# Altium PCB RTM_4SFP_3QSFP.PcbDoc (part 3 of 4)
Units mm, origin at the board's own origin, x right, y up, seen from the top; angles counter-clockwise.
Board outline 182.55 x 148.55 mm, 4 copper layers (L1, P2, P3, L4), stack 1.58 mm thick; 277 components, 253 nets, 1307 pads, 553 vias.
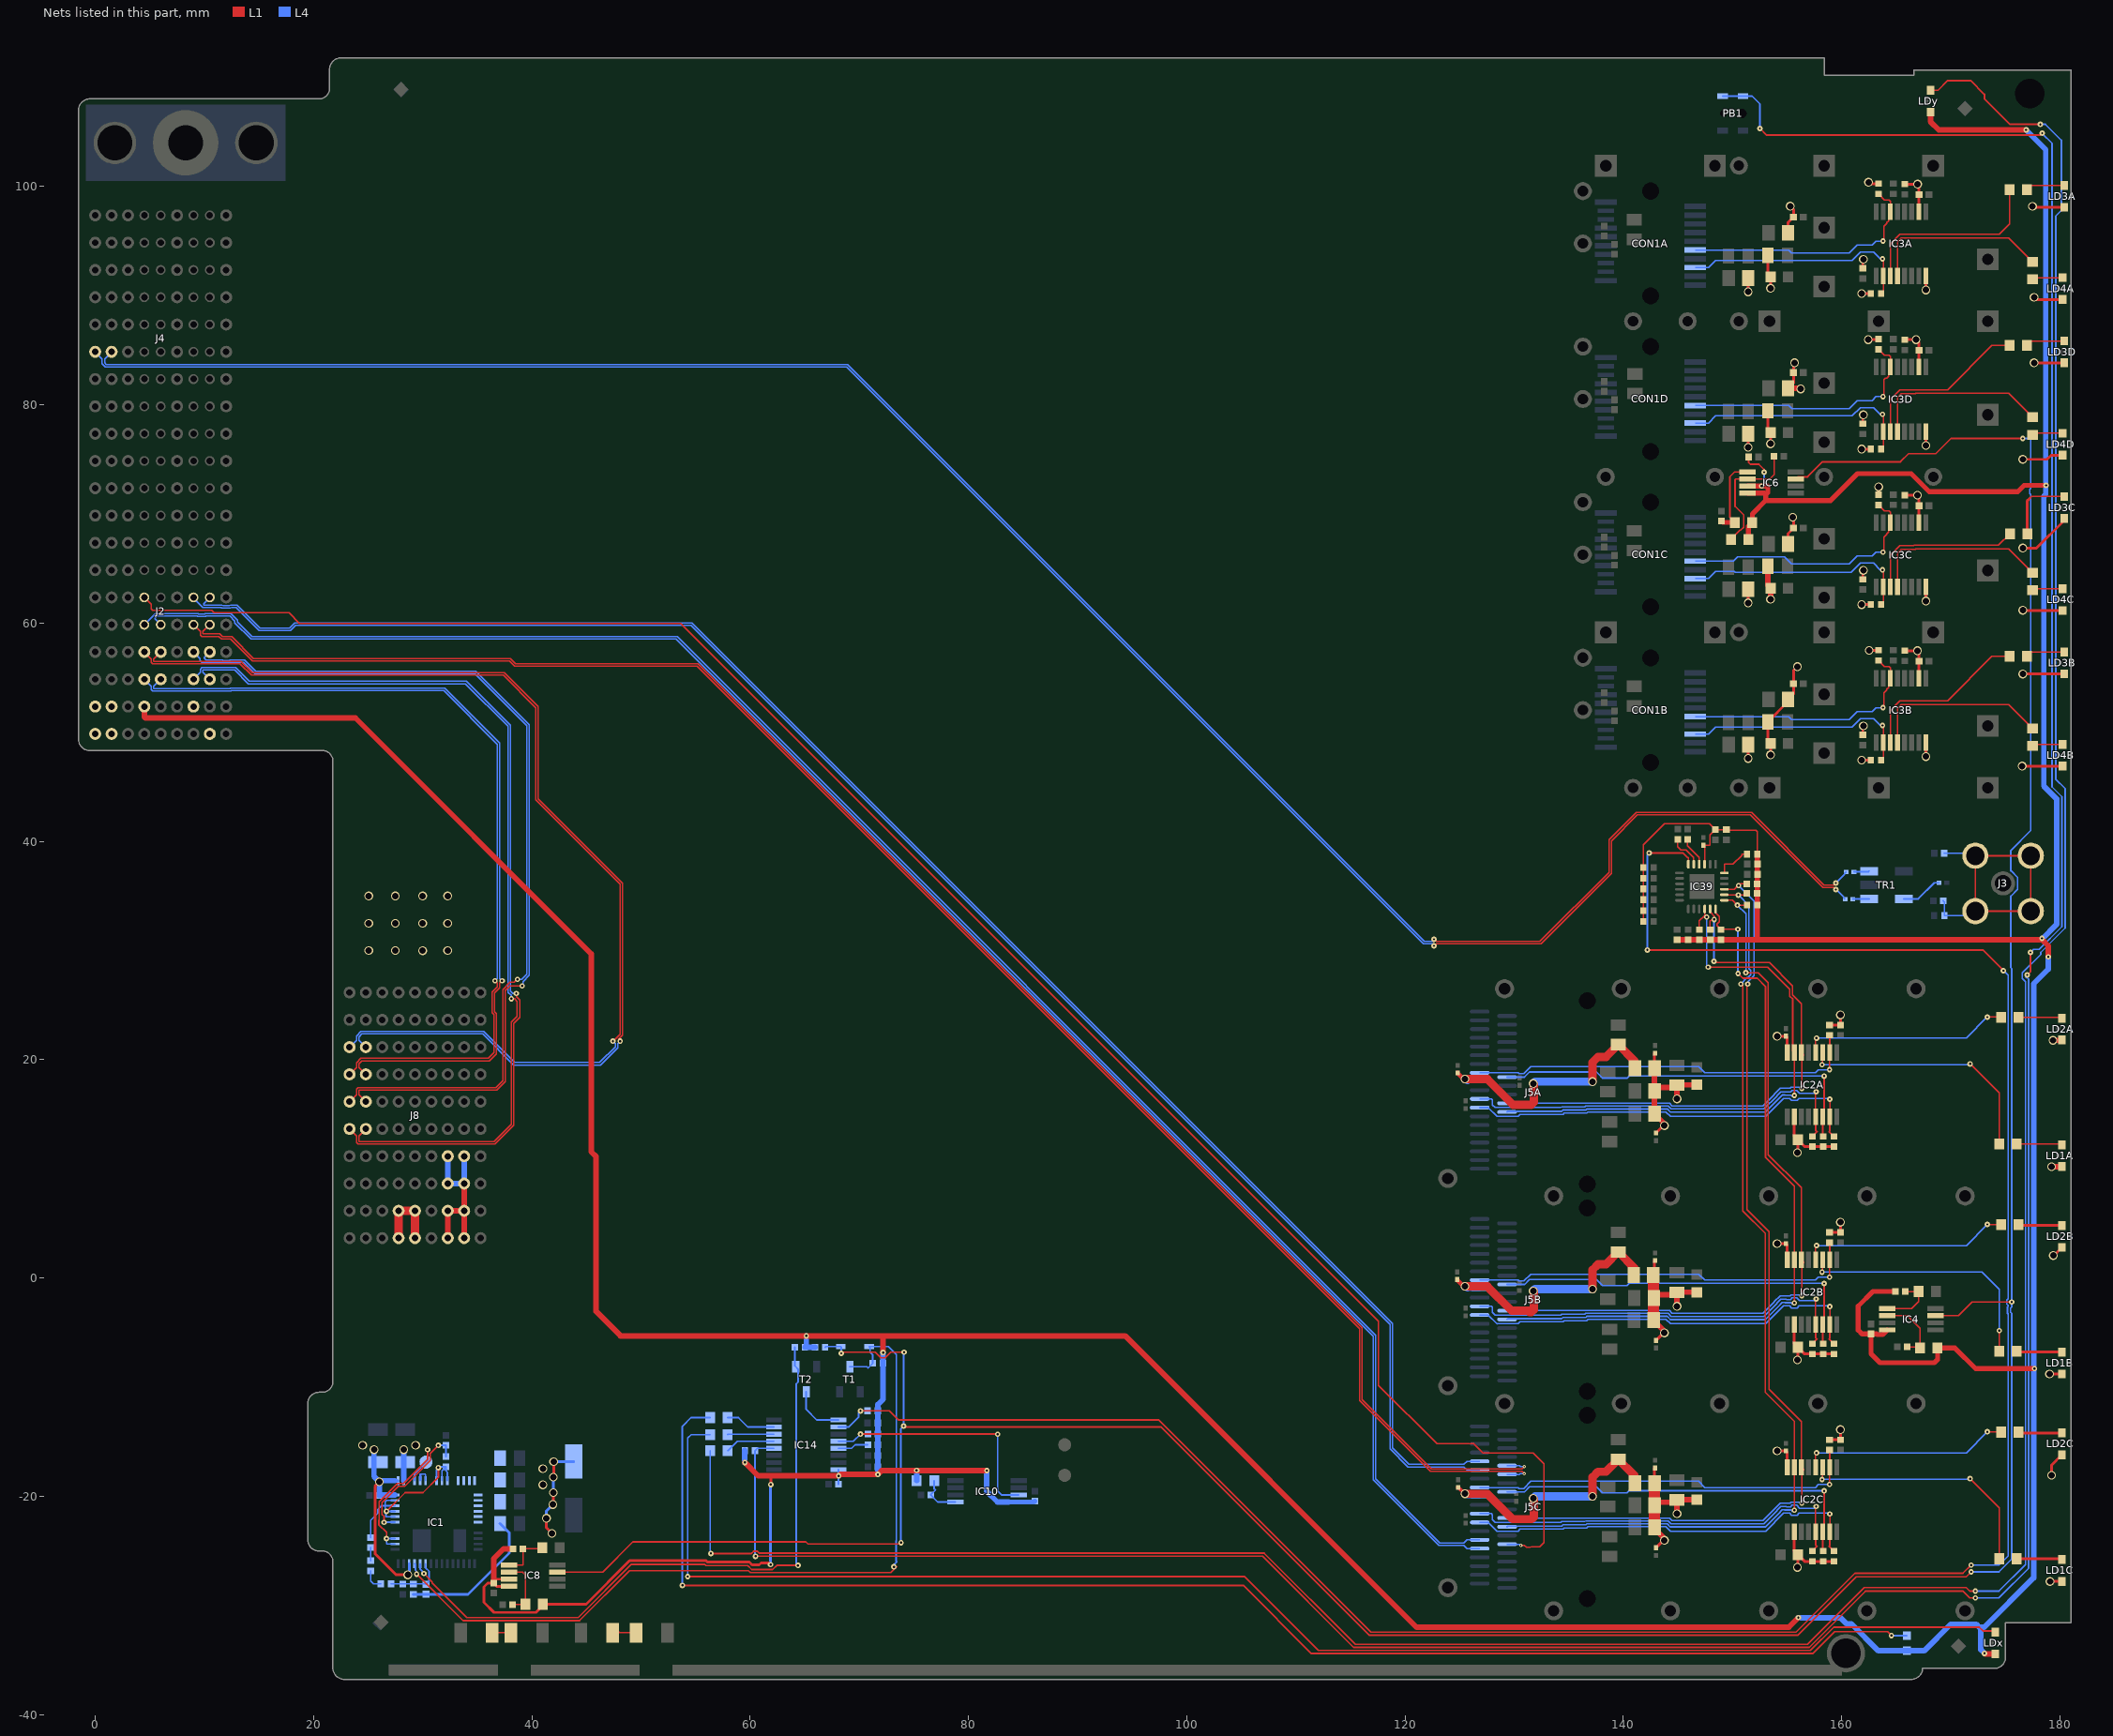
[diagram p5: the nets of this part, all layers, seen from the top]

## Via types
v1: diameter 0.5, hole 0.2, L1 to L4, tented both sides, 260 vias
v2: diameter 0.6, hole 0.4, L1 to L4, tented both sides, 124 vias
v3: diameter 0.8, hole 0.6, L1 to L4, tented both sides, 120 vias
v4: diameter 0.3, hole 0.1, L1 to L4, tented both sides, 38 vias
v5: diameter 0.6, hole 0.4, L1 to L4, 5 vias
v6: diameter 0.66, hole 0.33, L1 to L4, tented both sides, 4 vias
v7: diameter 0.8, hole 0.4, L1 to L4, 2 vias

## Nets (pads, with @x,y where several pads share a name; then routed paths per layer and width w, separated by ;. In a path a pad name is that pad's centre, name@x,y a point inside that pad or via, vN(x,y) a via of type N, cw(c..) or ccw(c..) an arc to the next point about the centre after c; other vN are vias at no path point) (continued)
GTP14RX_P: J2.C6 J5C.14 | length 175.7
  L1 w0.117: J2.C6@4.5,62.35 5.138,61.712 5.138,61.299 5.269,61.168 10.684,61.168 10.907,60.945 17.744,60.945 18.713,59.976 53.626,59.976 117.582,-3.979 117.582,-9.841 122.925,-15.184 126.284,-15.184 127.14,-16.04 131.757,-16.04 132.735,-17.018 132.735,-24.226 132.338,-24.623 131.561,-24.623 131.496,-24.688 131.126,-24.688 130.944,-24.506 v4(130.609,-24.506)
  L4 w0.117: J5C.14@129.355,-24.4 130.503,-24.4 v4(130.609,-24.506)
GTP14TX_N: J2.F6 J5C.34 | length 157.7
  L4 w0.117: J2.F6@10.5,62.35 9.922,61.772 9.922,61.675 9.948,61.65 11.624,61.65 11.685,61.589 12.315,61.589 12.376,61.65 12.999,61.65 15.111,59.538 17.805,59.538 18.288,60.02 54.661,60.02 118.867,-4.186 118.867,-15.573 120.382,-17.088 125.409,-17.088 125.697,-16.8 J5C.34@126.845,-16.8
GTP14TX_P: J2.E6 J5C.33 | length 158.1
  L4 w0.117: J2.E6@9,62.35 9,62.282 9.855,61.426 11.532,61.426 11.592,61.366 12.408,61.366 12.468,61.426 12.907,61.426 15.019,59.314 17.898,59.314 18.381,59.797 54.568,59.797 118.643,-4.279 118.643,-15.666 120.29,-17.312 125.409,-17.312 125.697,-17.6 J5C.33@126.845,-17.6
GTP15RX_N: J2.D5 J5C.24 | length 165.5
  L4 w0.117: J2.D5@6,59.85 5.47,60.38 5.47,60.477 5.642,60.648 9.331,60.648 9.379,60.6 10.121,60.6 10.169,60.648 12.331,60.648 12.798,60.181 12.798,60.008 14.28,58.526 53.223,58.526 117.099,-5.349 117.099,-18.488 123.122,-24.512 125.409,-24.512 125.697,-24.8 J5C.24@126.845,-24.8
GTP15RX_P: J2.C5 J5C.25 | length 166
  L4 w0.117: J2.C5@4.5,59.85 5.522,60.872 9.423,60.872 9.471,60.824 10.029,60.824 10.077,60.872 12.423,60.872 13.022,60.273 13.022,60.101 14.373,58.75 53.316,58.75 117.323,-5.257 117.323,-18.396 123.215,-24.288 125.409,-24.288 125.697,-24 J5C.25@126.845,-24
GTP15TX_N: J2.F5 J5C.5 | length 159.4
  L1 w0.117: J2.F5@10.5,59.85 9.862,59.212 9.862,59 11.419,59 11.669,58.75 12.5,58.75 14.491,56.758 38.062,56.758 38.534,56.286 55.22,56.286 116.061,-4.555 116.061,-11.134 122.428,-17.501 130.723,-17.501 v4(130.937,-17.286)
  L4 w0.117: J5C.5@129.355,-17.2 130.503,-17.2 130.59,-17.286 v4(130.937,-17.286)
GTP15TX_P: J2.E5 J5C.6 | length 159.8
  L1 w0.117: J2.E5@9,59.85 9.638,59.212 9.638,58.907 9.769,58.776 11.327,58.776 11.577,58.526 12.407,58.526 14.333,56.6 14.398,56.535 37.97,56.535 38.442,56.063 55.127,56.063 115.838,-4.648 115.838,-11.226 122.335,-17.724 130.723,-17.724 v4(130.937,-17.939)
  L4 w0.117: J5C.6@129.355,-18 130.503,-18 130.565,-17.939 v4(130.937,-17.939)
GTP_CLK2_IN_N: C28.2 J4.B5 | length 193
  L1 w0.117: v1(122.657,31.025) 122.728,31.025 122.917,30.836 132.365,30.836 138.687,37.157 138.687,40.141 141.192,42.645 151.751,42.645 158.397,36 159.3,36 159.487,36.187 v1(159.487,36.189)
  L4 w0.117: J4.B5@1.5,84.85 0.862,84.212 0.862,83.845 1.014,83.693 68.922,83.693 121.779,30.836 122.588,30.836 122.588,30.956 v1(122.657,31.025) ; v1(159.487,36.189) 160.268,36.97 160.268,37.063 160.409,37.205 C28.2@160.434,37.205
GTP_CLK2_IN_P: C16.2 J4.A5 | length 193.2
  L1 w0.117: v1(122.657,30.423) 122.728,30.423 122.917,30.612 132.458,30.612 138.91,37.065 138.91,40.048 141.284,42.422 151.659,42.422 158.304,35.776 159.3,35.776 159.487,35.59 v1(159.487,35.587)
  L4 w0.117: J4.A5@0,84.85 0.638,84.212 0.638,83.753 0.922,83.469 68.829,83.469 121.686,30.612 122.588,30.612 122.588,30.491 v1(122.657,30.423) ; v1(159.487,35.587) 160.168,34.906 160.168,34.842 160.31,34.7 C16.2@160.335,34.7
I2C_RESETn: IC14.10 IC39.24 R36.2 | length 220.6
  L1 w0.152: v1(70.113,-12.183) 72.76,-12.183 73.582,-13.005 97.434,-13.005 116.89,-32.461 155.829,-32.461 161.239,-27.051 171.126,-27.051 171.868,-26.309 v1(171.882,-26.309) ; v1(142.215,30.048) 172.933,30.048 v1(174.828,28.153) ; v1(142.367,38.938) 145.466,38.938 145.889,38.515 145.96,38.515 IC39.24@145.96,37.905
  L4 w0.152: IC14.10@68.086,-13.664 69.011,-13.664 69.952,-12.723 69.952,-12.344 v1(70.113,-12.183) R36.2@70.768,-12.183 ; v1(142.215,30.048) 142.215,38.786 v1(142.367,38.938) ; v1(171.882,-26.309) 174.422,-26.309 175.26,-25.471 175.26,-3.297 175.213,-3.25 175.213,-2.643 175.26,-2.596 175.26,-2.519 175.137,-2.396 175.137,-2.021 175.26,-1.898 175.26,27.737 174.844,28.153 v1(174.828,28.153)
INTLA: IC2A.5 J5A.28 R10A.2 | length 36.9
  L1 w0.127: IC2A.5@157.625,14.376 IC2A.5@157.625,14.75 157.625,17.011 v1(157.683,17.069)
  L1 w0.152: R10A.2@157.325,12.97 157.757,13.401 157.625,13.533 IC2A.5@157.625,14.376
  L4 w0.127: J5A.28@126.845,16.4 126.852,16.407 127.914,16.407 ; 127.947,16.407 127.914,16.407 ; v1(157.683,17.069) 157.522,16.908 156.169,16.908 155.898,17.179 155.484,17.179 155.332,17.027 154.944,17.027 154.928,17.043 154.444,17.043 154.102,16.701 154.102,16.676 152.905,15.479 144.398,15.479 144.131,15.746 136.563,15.746 136.492,15.675 134.352,15.675 134.286,15.609 128.256,15.609 128.016,15.85 128.016,16.305 127.914,16.407
INTLB: IC2B.5 J5B.28 R10B.2 | length 36.9
  L1 w0.127: IC2B.5@157.625,-4.624 IC2B.5@157.625,-4.25 157.625,-1.989 v1(157.683,-1.931)
  L1 w0.152: R10B.2@157.325,-6.03 157.757,-5.599 157.625,-5.467 IC2B.5@157.625,-4.624
  L4 w0.127: J5B.28@126.845,-2.6 126.852,-2.593 127.914,-2.593 ; 127.947,-2.593 127.914,-2.593 ; v1(157.683,-1.931) 157.522,-2.092 156.169,-2.092 155.898,-1.821 155.484,-1.821 155.332,-1.973 154.944,-1.973 154.928,-1.957 154.444,-1.957 154.102,-2.299 154.102,-2.324 152.905,-3.521 144.398,-3.521 144.131,-3.254 136.563,-3.254 136.492,-3.325 134.352,-3.325 134.286,-3.391 128.256,-3.391 128.016,-3.15 128.016,-2.695 127.914,-2.593
INTLC: IC2C.5 J5C.28 R10C.2 | length 36.9
  L1 w0.127: IC2C.5@157.625,-23.624 IC2C.5@157.625,-23.25 157.625,-20.989 v1(157.683,-20.931)
  L1 w0.152: R10C.2@157.325,-25.03 157.757,-24.599 157.625,-24.467 IC2C.5@157.625,-23.624
  L4 w0.127: J5C.28@126.845,-21.6 126.852,-21.593 127.914,-21.593 ; 127.947,-21.593 127.914,-21.593 ; v1(157.683,-20.931) 157.522,-21.092 156.169,-21.092 155.898,-20.821 155.484,-20.821 155.332,-20.973 154.944,-20.973 154.928,-20.957 154.444,-20.957 154.102,-21.299 154.102,-21.324 152.905,-22.521 144.398,-22.521 144.131,-22.254 136.563,-22.254 136.492,-22.325 134.352,-22.325 134.286,-22.391 128.256,-22.391 128.016,-22.15 128.016,-21.695 127.914,-21.593
LED_BLUE: IC14.5 R7.1 | length 4.6
  L4 w0.152: R7.1@57.936,-15.817 57.97,-15.817 58.823,-14.964 IC14.5@62.186,-14.964
LED_GREEN: IC14.7 R9.1 | length 4.6
  L4 w0.152: R9.1@57.936,-12.794 58.937,-12.794 59.807,-13.664 IC14.7@62.186,-13.664
LED_RED: IC14.6 R8.1 | length 4.3
  L4 w0.152: R8.1@57.936,-14.358 57.98,-14.314 IC14.6@62.186,-14.314
LOSA: CON1A.8 IC3A.10 R40A.1 | length 21.3
  L1 w0.127: R40A.1@163.619,90.191 163.825,90.397 IC3A.10@163.825,91.8 163.825,93.299 v1(163.749,93.375)
  L4 w0.127: CON1A.8@146.6,92.575 147.8,92.575 148.45,93.225 160.962,93.225 161.725,93.989 162.924,93.989 163.537,93.375 v1(163.749,93.375)
LOSB: CON1B.8 IC3B.10 R40B.1 | length 21.3
  L1 w0.127: R40B.1@163.619,47.441 163.825,47.647 IC3B.10@163.825,49.05 163.825,50.549 v1(163.749,50.625)
  L4 w0.127: CON1B.8@146.6,49.825 147.8,49.825 148.45,50.475 160.962,50.475 161.725,51.238 162.924,51.238 163.537,50.625 v1(163.749,50.625)
LOSC: CON1C.8 IC3C.10 R40C.1 | length 21.4
  L1 w0.127: R40C.1@163.619,61.691 163.825,61.897 IC3C.10@163.825,63.3 163.825,64.799 v1(163.749,64.875)
  L4 w0.127: CON1C.8@146.6,64.075 147.8,64.075 148.45,64.725 150.182,64.725 150.269,64.638 160.875,64.638 161.725,65.488 162.924,65.488 163.537,64.875 v1(163.749,64.875)
LOSD: CON1D.8 IC3D.10 R40D.1 | length 21.3
  L1 w0.127: R40D.1@163.619,75.941 163.825,76.147 IC3D.10@163.825,77.55 163.825,79.049 v1(163.749,79.125)
  L4 w0.127: CON1D.8@146.6,78.325 147.8,78.325 148.466,78.99 156.19,78.99 156.205,78.975 160.962,78.975 161.725,79.738 162.924,79.738 163.537,79.125 v1(163.749,79.125)
LPModeA: IC2A.10 J5A.31 R17A.2 | length 35.9
  L1 w0.127: v1(158.902,19.075) 158.902,20.627 IC2A.10@158.925,20.65
  L1 w0.152: R17A.2@158.9,22.23 158.925,22.205 IC2A.10@158.925,20.65
  L4 w0.127: J5A.31@126.845,18.8 130.388,18.8 130.479,18.71 130.885,18.71 131.524,19.348 146.929,19.348 147.477,18.801 157.607,18.801 157.882,19.075 v1(158.902,19.075)
LPModeB: IC2B.10 J5B.31 R17B.2 | length 35.9
  L1 w0.127: v1(158.902,0.075) 158.902,1.627 IC2B.10@158.925,1.65
  L1 w0.152: R17B.2@158.9,3.23 158.925,3.205 IC2B.10@158.925,1.65
  L4 w0.127: J5B.31@126.845,-0.2 130.388,-0.2 130.479,-0.29 130.885,-0.29 131.524,0.348 146.929,0.348 147.477,-0.199 157.607,-0.199 157.882,0.075 v1(158.902,0.075)
LPModeC: IC2C.10 J5C.31 R17C.2 | length 35.9
  L1 w0.127: v1(158.902,-18.925) 158.902,-17.373 IC2C.10@158.925,-17.35
  L1 w0.152: R17C.2@158.9,-15.77 158.925,-15.795 IC2C.10@158.925,-17.35
  L4 w0.127: J5C.31@126.845,-19.2 130.388,-19.2 130.479,-19.29 130.885,-19.29 131.54,-18.636 146.913,-18.636 147.477,-19.199 157.607,-19.199 157.882,-18.925 v1(158.902,-18.925)
LVDS0_N: J2.D4 J8.B3 | length 99.7
  L1 w0.117: J2.D4@6,57.35 5.362,56.712 5.362,56.502 13.353,56.502 14.406,55.448 37.475,55.448 40.584,52.339 40.584,43.908 48.312,36.18 48.312,22.251 47.92,21.86 v1(48.088,21.692)
  L4 w0.117: J8.B3@24.8,21.15 24.162,21.788 24.162,22.079 24.435,22.352 35.498,22.352 38.338,19.512 46.295,19.512 47.874,21.091 47.874,21.477 v1(48.088,21.692)
LVDS0_P: J2.C4 J8.A3 | length 99.7
  L1 w0.117: J2.C4@4.5,57.35 5.138,56.712 5.138,56.409 5.269,56.278 13.26,56.278 14.314,55.225 37.382,55.225 40.361,52.246 40.361,43.815 48.088,36.087 48.088,22.344 v1(47.436,21.692)
  L4 w0.117: J8.A3@23.3,21.15 23.938,21.788 23.938,22.172 24.342,22.576 35.59,22.576 38.43,19.736 46.203,19.736 47.65,21.184 47.65,21.477 v1(47.436,21.692)
LVDS1_N: J2.D3 J8.B4 | length 78
  L1 w0.117: J8.B4@24.8,18.65 24.162,19.288 24.162,19.634 24.421,19.893 36.11,19.893 36.754,20.537 36.754,24.224 36.593,24.385 36.593,26.113 37.064,26.584 37.064,27.014 v1(37.279,27.229)
  L4 w0.117: J2.D3@6,54.85 5.362,54.212 5.362,54.002 12.351,54.002 12.375,54.026 32.029,54.026 37.064,48.991 37.064,27.443 v1(37.279,27.229)
LVDS1_P: J2.C3 J8.A4 | length 78
  L1 w0.117: J8.A4@23.3,18.65 23.938,19.288 23.938,19.727 24.328,20.117 36.017,20.117 36.53,20.63 36.53,24.131 36.369,24.292 36.369,26.205 36.841,26.677 36.841,27.014 v1(36.626,27.229)
  L4 w0.117: J2.C3@4.5,54.85 5.138,54.212 5.138,53.909 5.269,53.778 12.444,53.778 12.468,53.802 31.937,53.802 36.841,48.898 36.841,27.443 v1(36.626,27.229)
LVDS2_N: J2.F4 J8.B5 | length 82.5
  L1 w0.117: J8.B5@24.8,16.15 24.162,16.788 24.162,17.196 24.167,17.201 36.796,17.201 37.587,17.992 37.587,24.059 37.569,24.076 37.569,26.312 38.004,26.746 v1(39.116,26.746)
  L4 w0.117: J2.F4@10.5,57.35 9.976,56.826 9.976,56.803 10.146,56.633 11.641,56.633 11.685,56.589 12.315,56.589 12.359,56.633 13.686,56.633 14.718,55.601 34.871,55.601 39.771,50.7 39.771,27.72 39.187,27.136 39.187,26.817 v1(39.116,26.746)
LVDS2_P: J2.E4 J8.A5 | length 82.5
  L1 w0.117: J8.A5@23.3,16.15 23.938,16.788 23.938,17.288 24.074,17.424 36.703,17.424 37.363,18.085 37.363,23.966 37.346,23.984 37.346,26.404 38.02,27.079 38.407,27.079 v1(38.684,27.356)
  L4 w0.117: J2.E4@9,57.35 9.592,56.758 9.592,56.584 9.766,56.409 11.549,56.409 11.592,56.366 12.408,56.366 12.451,56.409 13.593,56.409 14.625,55.377 34.778,55.377 39.548,50.607 39.548,27.813 39.091,27.356 v1(38.684,27.356)
LVDS3_N: J2.F3 J8.B6 | length 84.5
  L1 w0.117: J8.B6@24.8,13.65 24.162,13.012 24.162,12.486 36.528,12.486 38.136,14.094 38.136,23.429 38.664,23.956 38.664,25.351 38.437,25.578 v1(38.125,25.578)
  L4 w0.117: J2.F3@10.5,54.85 9.862,55.488 9.862,55.677 9.883,55.698 12.773,55.698 14.034,54.437 33.929,54.437 37.826,50.54 37.826,26.17 38.125,25.871 v1(38.125,25.578)
LVDS3_P: J2.E3 J8.A6 | length 86
  L1 w0.117: J8.A6@23.3,13.65 23.938,13.012 23.938,12.393 24.069,12.262 36.621,12.262 38.36,14.001 38.36,23.336 38.887,23.864 38.887,25.444 38.583,25.749 v1(38.583,26.06)
  L4 w0.117: J2.E3@9,54.85 9.638,55.488 9.638,55.769 9.791,55.922 12.866,55.922 14.127,54.661 34.022,54.661 38.05,50.633 38.05,26.263 38.252,26.06 v1(38.583,26.06)
MODDEF0A: CON1A.6 IC3A.6 R39A.1 | length 23.3
  L1 w0.127: R39A.1@163.399,99.321 163.946,98.774 164.351,98.774 164.475,98.65 IC3A.6@164.475,97.7 IC3A.6@164.475,97.275 ; v1(163.798,94.996) 163.875,95.073 163.875,96.335 164.159,96.619 164.159,96.686 164.313,96.841 164.313,97.114 IC3A.6@164.475,97.275 ; IC3A.6@164.475,97.056 IC3A.6@164.475,97.275
  L4 w0.127: CON1A.6@146.6,94.175 155.163,94.175 155.43,93.908 160.719,93.908 161.454,94.643 162.793,94.643 163.147,94.996 v1(163.798,94.996)
MODDEF0B: CON1B.6 IC3B.6 R39B.1 | length 23.3
  L1 w0.127: R39B.1@163.399,56.571 163.946,56.023 164.351,56.023 164.475,55.9 IC3B.6@164.475,54.95 IC3B.6@164.475,54.525 ; v1(163.798,52.246) 163.875,52.323 163.875,53.585 164.159,53.869 164.159,53.936 164.313,54.091 164.313,54.363 IC3B.6@164.475,54.525 ; IC3B.6@164.475,54.306 IC3B.6@164.475,54.525
  L4 w0.127: CON1B.6@146.6,51.425 155.163,51.425 155.43,51.157 160.719,51.157 161.454,51.892 162.793,51.892 163.147,52.246 v1(163.798,52.246)
MODDEF0C: CON1C.6 IC3C.6 R39C.1 | length 23.6
  L1 w0.127: R39C.1@163.399,70.821 163.946,70.273 164.351,70.273 164.475,70.15 IC3C.6@164.475,69.2 IC3C.6@164.475,68.775 ; v1(163.798,66.496) 163.875,66.573 163.875,67.856 164.159,68.14 164.159,68.186 164.313,68.341 164.313,68.613 IC3C.6@164.475,68.775 ; IC3C.6@164.475,68.556 IC3C.6@164.475,68.775
  L4 w0.127: CON1C.6@146.6,65.675 150.091,65.675 150.49,66.074 154.764,66.074 155.43,65.408 160.719,65.408 161.454,66.142 162.793,66.142 163.147,66.496 v1(163.798,66.496)
MODDEF0D: CON1D.6 IC3D.6 R39D.1 | length 23.4
  L1 w0.127: R39D.1@163.399,85.071 163.946,84.523 164.351,84.523 164.475,84.4 IC3D.6@164.475,83.45 IC3D.6@164.475,83.025 ; v1(163.798,80.746) 163.875,80.823 163.875,82.313 163.998,82.436 164.159,82.436 164.313,82.591 164.313,82.864 IC3D.6@164.475,83.025 ; IC3D.6@164.475,82.806 IC3D.6@164.475,83.025
  L4 w0.127: CON1D.6@146.6,79.925 155.163,79.925 155.446,79.642 160.703,79.642 161.454,80.392 162.793,80.392 163.147,80.746 v1(163.798,80.746)
ModPrsLA: IC2A.7 J5A.27 R12A.2 | length 37.2
  L1 w0.127: IC2A.7@158.925,14.75 158.928,14.753 v1(158.928,16.374)
  L1 w0.152: IC2A.7@158.925,14.75 158.925,13.458 158.869,13.401 R12A.2@159.3,12.97
  L4 w0.127: 128.431,14.8 130.353,14.8 130.551,14.999 134.501,14.999 134.594,15.091 136.662,15.091 136.784,15.213 143.91,15.213 144.323,14.8 153.052,14.8 154.695,16.443 155.239,16.443 155.434,16.247 155.916,16.247 156.111,16.443 158.859,16.443 v1(158.928,16.374)
  L4 w0.152: J5A.27@126.845,15.6 127.631,15.6 128.431,14.8
ModPrsLB: IC2B.7 J5B.27 R12B.2 | length 37.2
  L1 w0.127: IC2B.7@158.925,-4.25 158.928,-4.247 v1(158.928,-2.626)
  L1 w0.152: IC2B.7@158.925,-4.25 158.925,-5.542 158.869,-5.599 R12B.2@159.3,-6.03
  L4 w0.127: 128.431,-4.2 130.353,-4.2 130.551,-4.001 134.501,-4.001 134.594,-3.909 136.662,-3.909 136.784,-3.787 143.91,-3.787 144.323,-4.2 153.052,-4.2 154.695,-2.557 155.239,-2.557 155.434,-2.753 155.916,-2.753 156.111,-2.557 158.859,-2.557 v1(158.928,-2.626)
  L4 w0.152: J5B.27@126.845,-3.4 127.631,-3.4 128.431,-4.2
ModPrsLC: IC2C.7 J5C.27 R12C.2 | length 37.2
  L1 w0.127: IC2C.7@158.925,-23.25 158.928,-23.247 v1(158.928,-21.626)
  L1 w0.152: IC2C.7@158.925,-23.25 158.925,-24.542 158.869,-24.599 R12C.2@159.3,-25.03
  L4 w0.127: 128.431,-23.2 130.353,-23.2 130.551,-23.001 134.501,-23.001 134.594,-22.909 136.662,-22.909 136.784,-22.787 143.91,-22.787 144.323,-23.2 153.052,-23.2 154.695,-21.557 155.239,-21.557 155.434,-21.753 155.916,-21.753 156.111,-21.557 158.859,-21.557 v1(158.928,-21.626)
  L4 w0.152: J5C.27@126.845,-22.4 127.631,-22.4 128.431,-23.2
ModSelLA: IC2A.6 J5A.8 R11A.2 | length 35.2
  L1 w0.152: R11A.2@158.313,12.97 158.275,13.008 IC2A.6@158.275,14.75 158.4,14.875 v1(158.4,18.491)
  L4 w0.152: J5A.8@129.355,18.4 130.953,18.4 131.419,18.866 137.551,18.866 138.068,18.349 138.068,18.322 138.086,18.304 140.332,18.304 140.538,18.51 158.381,18.51 v1(158.4,18.491)
ModSelLB: IC2B.6 J5B.8 R11B.2 | length 35.2
  L1 w0.152: R11B.2@158.313,-6.03 158.275,-5.992 IC2B.6@158.275,-4.25 158.4,-4.125 v1(158.4,-0.509)
  L4 w0.152: J5B.8@129.355,-0.6 130.953,-0.6 131.419,-0.134 137.551,-0.134 138.068,-0.651 138.068,-0.678 138.086,-0.696 140.332,-0.696 140.538,-0.49 158.381,-0.49 v1(158.4,-0.509)
ModSelLC: IC2C.6 J5C.8 R11C.2 | length 35.2
  L1 w0.152: R11C.2@158.313,-25.03 158.275,-24.992 IC2C.6@158.275,-23.25 158.4,-23.125 v1(158.4,-19.509)
  L4 w0.152: J5C.8@129.355,-19.6 130.953,-19.6 131.419,-19.134 137.551,-19.134 138.068,-19.651 138.068,-19.678 138.086,-19.696 140.332,-19.696 140.538,-19.49 158.381,-19.49 v1(158.4,-19.509)
N7V0_URFB: J8.C9 J8.C10 J8.D9 J8.D10 | length 6.5
  L1 w0.75: J8.C10@27.8,3.65 J8.C9@27.8,6.15 J8.D9@29.3,6.15 J8.D10@29.3,3.65
NetC9_1: C9.1 IC1.36 R1.1 R3.2 R5.1 | length 5.4
  L4 w0.152: R5.1@27.111,-28.028 30.253,-28.028 C9.1@30.303,-28.078 30.593,-27.788 30.593,-26.889 30.266,-26.561 IC1.36@30.266,-26.178
NetC10_1: C10.1 R4.2 | length 1.2
  L4 w0.152: R4.2@25.241,-25.908 C10.1@25.241,-24.703
NetC10_2: C10.2 IC1.8 IC1.9 IC1.10 IC1.48 IC1.49 IC1.50 IC1.51 R6.2 | length 20
  L1 w0.152: v1(26.691,-21.378) 28.399,-19.67 30.03,-19.67 31.436,-18.264 v1(31.436,-17.385)
  L4 w0.152: C10.2@25.241,-23.803 25.241,-22.202 25.903,-21.54 25.903,-21.188 26.213,-20.878 26.564,-20.878 ; IC1.48@27.466,-21.878 26.643,-21.878 v1@26.643,-21.33 ; IC1.49@27.466,-21.378 v1(26.691,-21.378) v1@26.643,-21.33 ; IC1.50@27.466,-20.878 26.564,-20.878 ; IC1.51@27.466,-20.378 26.691,-20.378 26.564,-20.505 26.564,-20.878 ; IC1.8@31.266,-18.578 31.266,-17.574 ; v1(31.436,-17.385) 31.522,-17.298 R6.2@32.146,-17.298 ; IC1.9@31.766,-18.578 31.766,-17.679 R6.2@32.146,-17.298 ; IC1.10@32.266,-18.578 32.266,-17.798 32.146,-17.679 R6.2@32.146,-17.298 ; 26.564,-20.878 26.564,-21.252 v1@26.643,-21.33
NetC11_2: C11.2 IC1.47 R6.1 | length 12.4
  L1 w0.152: v1(26.465,-22.402) 26.465,-21.855 26.263,-21.653 26.263,-20.601 27.778,-19.086 28.357,-19.086 30.702,-16.741 30.702,-16.086 30.876,-15.912 30.876,-15.9 v1(31.436,-15.34)
  L4 w0.152: v1(26.465,-22.402) 26.488,-22.378 IC1.47@27.466,-22.378 ; v1(31.436,-15.34) 31.447,-15.328 C11.2@32.146,-15.328 R6.1@32.146,-16.358
NetC16_1: C16.1 TR1.3 | length 1.5
  L4 w0.152: C16.1@161.035,34.7 161.065,34.73 TR1.3@162.52,34.73
NetC17_2: C17.2 TR1.4 | length 3.8
  L4 w0.169: TR1.4@165.7,34.73 167.028,34.73 168.503,36.205 C17.2@168.935,36.205
NetC18_2: C18.2 C19.2 J3.2 R2.2 | length 28
  L1 w0.152: J3.2@172,38.506 172.179,38.685 J3.2@172.26,38.685 ; J3.2@172.26,38.685 J3.2@172.26,33.605 J3.2@177.34,33.605 J3.2@177.34,38.685 J3.2@172.26,38.685
  L4 w0.152: C18.2@169.31,34.545 169.423,34.433 R2.2@169.423,33.2 171.855,33.2 J3.2@172.26,33.605 ; C19.2@169.403,38.918 172.028,38.918 J3.2@172.26,38.685
NetC28_1: C28.1 TR1.1 | length 1.4
  L4 w0.152: C28.1@161.134,37.205 162.455,37.205 TR1.1@162.52,37.27
NetD1_1: D1.1 IC4.3 IC6.3 IC8.3 R34.2 | length 305.8
  L1 w0.152: IC8.3@42.325,-26.949 46.508,-26.949 49.272,-24.185 65.109,-24.185 65.303,-24.378 73.716,-24.378 v1(73.838,-24.257) ; v1(68.351,-6.909) 68.453,-6.807 71.479,-6.807 71.987,-7.315 72.387,-7.315 72.895,-6.807 v1(74.117,-6.807) ; v1(74.066,-13.564) 74.168,-13.665 97.663,-13.665 116.738,-32.741 155.981,-32.741 161.34,-27.381 171.423,-27.381 171.868,-26.936 v1(171.882,-26.936) ; IC6.3@155.794,73.198 155.996,73.4 156.896,73.4 158.271,74.775 165.402,74.775 166.141,75.514 168.629,75.514 170.026,76.911 v1(176.606,76.911) ; IC4.3@168.593,-3.46 170.725,-3.46 171.976,-2.208 v1(175.59,-2.208)
  L4 w0.152: R34.2@66.881,-6.363 66.955,-6.289 D1.1@68.311,-6.289 68.351,-6.329 v1(68.351,-6.909) ; v1(73.838,-24.257) 73.816,-24.236 73.816,-13.814 v1(74.066,-13.564) 74.066,-6.858 v1(74.117,-6.807) ; v1(171.882,-26.936) 174.422,-26.936 175.59,-25.768 175.59,-3.232 175.493,-3.134 175.493,-2.759 175.59,-2.661 v1(175.59,-2.208) 175.59,28.346 175.514,28.423 175.514,34.98 176.129,35.595 176.129,36.695 175.514,37.31 175.514,39.167 177.34,40.993 177.34,71.777 177.244,71.872 177.244,72.248 177.34,72.343 177.34,76.905 177.334,76.911 v1(176.606,76.911)
NetD1_2: D1.2 IC1.38 R35.2 T1.3 | length 75.3